# Altium PCB ESC.PcbDoc (part 2 of 3)
Units mm, origin at the board's own origin, x right, y up, seen from the top; angles counter-clockwise.
Board outline 85 x 45 mm, 4 copper layers (L1-SIGNAL/PWR, L2-PWR, L3-GND, L4-SIGNAL/PWR), stack 1.571 mm thick; 139 components, 88 nets, 499 pads, 911 vias.
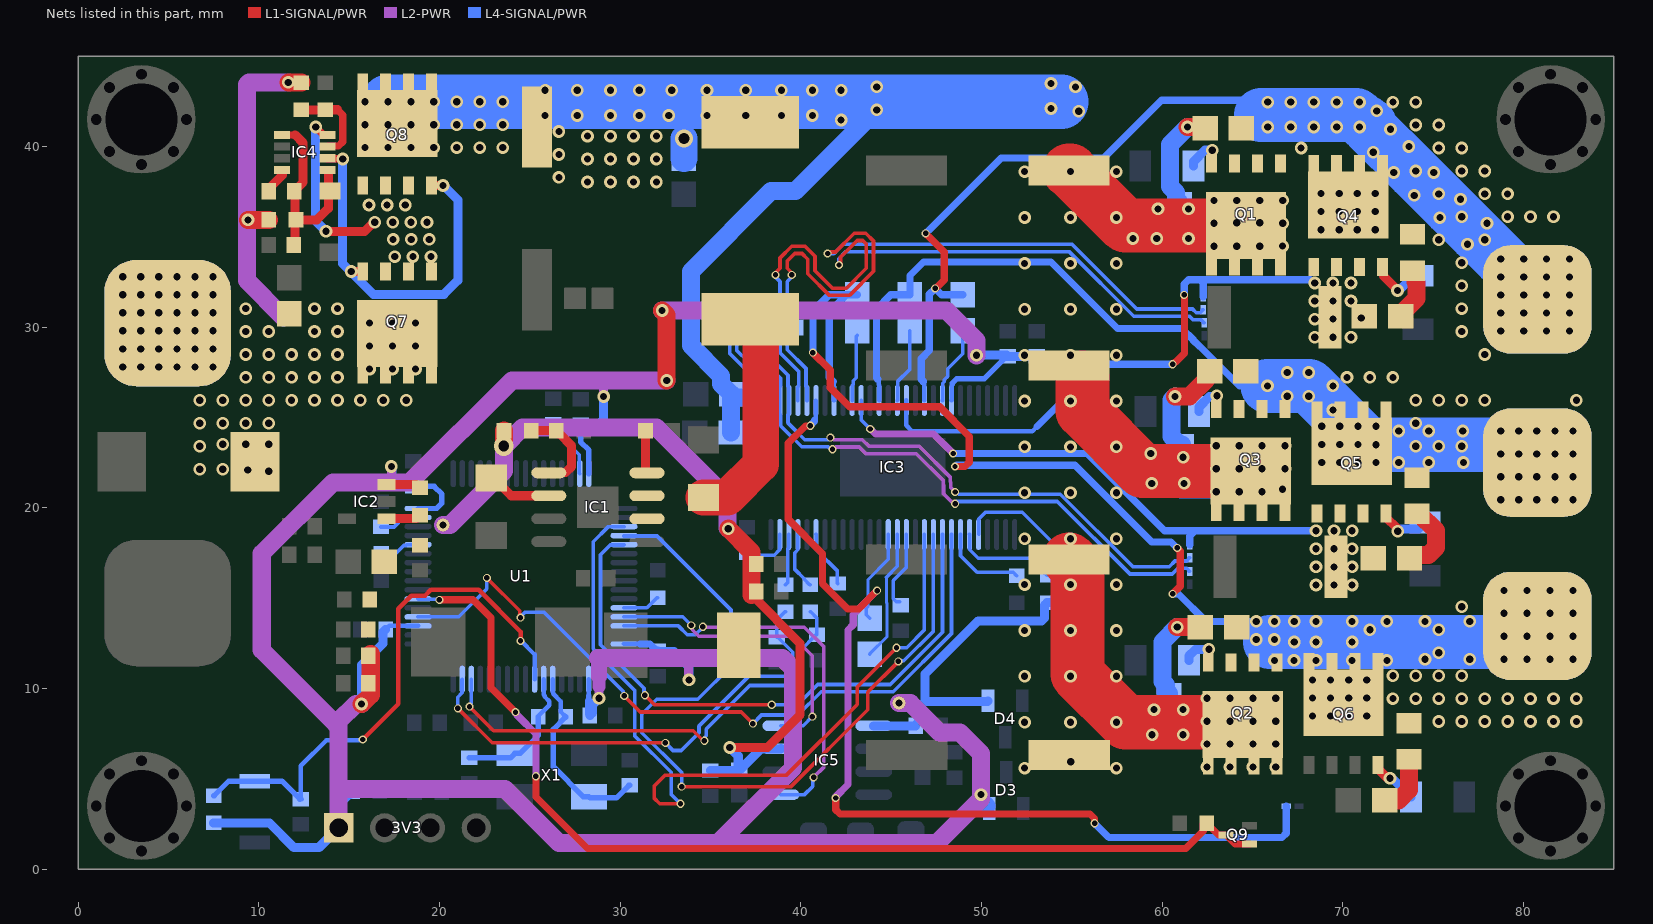
[diagram p4: the nets of this part, all layers, seen from the top]

## Via types
v1: diameter 0.7, hole 0.4, L1-SIGNAL/PWR to L4-SIGNAL/PWR, tented both sides, 386 vias
v2: diameter 0.7, hole 0.4, L1-SIGNAL/PWR to L4-SIGNAL/PWR, 181 vias
v3: diameter 0.7, hole 0.4, L1-SIGNAL/PWR to L4-SIGNAL/PWR, tented bottom, 112 vias
v4: diameter 0.45, hole 0.3, L1-SIGNAL/PWR to L4-SIGNAL/PWR, tented both sides, 87 vias
v5: diameter 0.7, hole 0.4, L1-SIGNAL/PWR to L2-PWR, tented both sides, 34 vias
v6: diameter 0.7, hole 0.4, L3-GND to L4-SIGNAL/PWR, tented both sides, 30 vias
v7: diameter 0.7, hole 0.4, L1-SIGNAL/PWR to L3-GND, 27 vias
v8: diameter 0.7, hole 0.4, L1-SIGNAL/PWR to L2-PWR, 21 vias
v9: diameter 0.7, hole 0.4, L3-GND to L4-SIGNAL/PWR, 10 vias
v10: diameter 1.1, hole 0.6, L1-SIGNAL/PWR to L4-SIGNAL/PWR, tented both sides, 10 vias
v11: diameter 0.7, hole 0.4, L1-SIGNAL/PWR to L3-GND, tented both sides, 8 vias
v12: diameter 1.1, hole 0.6, L3-GND to L4-SIGNAL/PWR, tented both sides, 3 vias
v13: diameter 0.7, hole 0.4, L1-SIGNAL/PWR to L4-SIGNAL/PWR, tented top, 1 vias
v14: diameter 1, hole 0.6, L1-SIGNAL/PWR to L4-SIGNAL/PWR, tented both sides, 1 vias

## Nets (pads, with @x,y where several pads share a name; then routed paths per layer and width w, separated by ;. In a path a pad name is that pad's centre, name@x,y a point inside that pad or via, vN(x,y) a via of type N, cw(c..) or ccw(c..) an arc to the next point about the centre after c; other vN are vias at no path point) (continued)
NetC9_2: C9.2 IC1.6 | length 3.6
  L1-SIGNAL/PWR w0.5: C9.2@22.86,21.659 22.981,21.659 23.971,20.669 IC1.6@26.048,20.669
NetC10_2: C10.2 R1.1 | length 5.9
  L1-SIGNAL/PWR w1: v1(61.404,41.084) 62.309,41.084 C10.2@62.373,41.021
  L4-SIGNAL/PWR w1: R1.1@60.96,36.907 60.838,36.907 60.771,36.973 60.771,37.45 60.437,37.785 60.437,40.117 v1(61.404,41.084)
NetC11_2: C11.2 R2.1 | length 5.7
  L1-SIGNAL/PWR w1: v1(60.708,26.166) 61.501,26.166 62.422,27.087 62.422,27.384 62.597,27.559 C11.2@62.627,27.559
  L4-SIGNAL/PWR w1: v1(60.708,26.166) 60.522,25.98 60.522,23.951 60.965,23.509 R2.1@61.087,23.509
NetC12_2: C12.2 R3.1 | length 5.5
  L1-SIGNAL/PWR w1: v1(60.833,13.399) C12.2@62.119,13.399
  L4-SIGNAL/PWR w1: R3.1@60.389,9.729 60.266,9.729 60.2,9.795 60.2,10.189 60.008,10.381 60.008,12.573 v1(60.833,13.399)
NetC13_1: C13.1 IC3.48 | length 4.3
  L4-SIGNAL/PWR w0.2: IC3.48@47.839,25.943 47.854,25.959 47.854,26.894 47.937,26.976 47.937,27.088 48.125,27.276 48.125,27.694 48.959,28.528 C13.1@48.959,29.794
NetC14_1: C14.1 IC3.15 | length 5.3
  L4-SIGNAL/PWR w0.17: C14.1@43.624,14.503 43.633,14.511 43.711,14.511 43.711,15.471 43.714,15.474 43.714,16.028 44.839,17.153
  L4-SIGNAL/PWR w0.2: C14.1@43.624,14.503 43.624,14.174 43.624,14.081 C14.1@43.815,13.891 ; 44.839,17.153 IC3.15@44.839,18.528
NetC14_2: C14.2 IC3.14 | length 7.3
  L4-SIGNAL/PWR w0.17: C14.2@43.815,11.89 43.815,11.92 44.775,12.88 44.775,14.714 44.731,14.758 44.731,16.156 44.738,16.163
  L4-SIGNAL/PWR w0.2: 44.738,16.163 45.339,16.764 IC3.14@45.339,18.528
NetC15_1: C15.1 IC3.43 | length 4.1
  L4-SIGNAL/PWR w0.2: IC3.43@45.339,25.943 45.354,25.959 45.354,26.989 46.038,27.672 C15.1@46.038,29.794
NetC16_2: C16.2 IC3.13 | length 4.3
  L4-SIGNAL/PWR w0.2: C16.2@45.471,14.797 45.289,14.797 45.116,14.97 45.116,15.975 45.839,16.698 IC3.13@45.839,18.528
NetC17_2: C17.2 R16.1 | length 3
  L1-SIGNAL/PWR w1: C17.2@73.193,30.719 73.341,30.719 73.405,30.782 73.405,30.93 74.074,31.6 74.074,32.47 74.039,32.505 74.039,33.067 73.973,33.133 R16.1@73.85,33.133
NetC18_2: C18.2 R17.1 | length 4.1
  L1-SIGNAL/PWR w1: C18.2@73.692,17.209 73.867,17.384 74.742,17.384 75.153,17.794 75.153,18.745 74.227,19.671 R17.1@74.105,19.671
NetC19_2: C19.2 R18.1 | length 3.3
  L1-SIGNAL/PWR w1: C19.2@72.311,3.81 73.074,3.81 73.66,4.396 R18.1@73.66,6.082
NetC20_1: C20.1 IC3.38 | length 3.7
  L4-SIGNAL/PWR w0.2: IC3.38@42.839,25.943 42.854,25.959 42.854,26.771 42.908,26.825 42.908,27.039 43.066,27.197 43.066,29.493 C20.1@43.116,29.543
NetC30_2: C30.2 IC3.23 | length 3.2
  L4-SIGNAL/PWR w0.2: IC3.23@40.839,18.528 40.854,18.513 40.854,17.673 40.899,17.629 42.025,16.502 42.025,15.825 C30.2@42.037,15.813
NetC31_1: C31.1 IC3.27 | length 2.9
  L4-SIGNAL/PWR w0.2: C31.1@37.02,17.525 37.174,17.371 38.521,17.371 38.824,17.673 38.824,18.513 IC3.27@38.839,18.528
NetC40_1: C40.1 IC4.4 | length 1.5
  L1-SIGNAL/PWR w0.4: IC4.4@11.275,38.699 11.278,38.699 11.303,38.674 11.303,38.417
  L1-SIGNAL/PWR w0.5: C40.1@10.548,37.528 10.548,37.663 11.303,38.417
NetC40_2: C40.2 C41.2 Dz1.1 IC4.1 IC4.5 R26.1 | length 11.6
  L1-SIGNAL/PWR w0.4: IC4.1@11.275,40.649 11.516,40.649 11.525,40.64 12.002,40.64 ; IC4.5@13.795,38.699 13.818,38.699 13.843,38.674 13.843,38.417
  L1-SIGNAL/PWR w0.5: C41.2@11.939,34.544 11.998,34.602 11.998,35.883 R26.1@12.056,35.941 ; 12.002,40.64 12.446,40.196 12.446,38.026 12.148,37.728 12.098,37.728 11.948,37.578 C40.2@11.948,37.528 12.002,37.474 12.002,35.995 R26.1@12.056,35.941 ; 13.843,38.417 13.843,37.625 Dz1.1@13.932,37.536 13.843,37.447 13.843,36.576 13.208,35.941 R26.1@12.056,35.941
NetC55_2: C55.2 U1.31 | length 2.3
  L4-SIGNAL/PWR w0.2: C55.2@16.757,18.943 17.482,18.943 17.985,19.445 18.792,19.445 U1.31@18.811,19.464
NetC56_2: C56.2 U1.47 | length 3.7
  L4-SIGNAL/PWR w0.2: C56.2@26.289,24.637 26.339,24.637 26.338,24.638 26.924,24.638 27.054,24.508 27.054,23.625 27.742,22.937 27.742,21.91 U1.47@27.761,21.891
NetIC1_4: IC1.4 R8.2 | length 2.4
  L1-SIGNAL/PWR w0.5: R8.2@31.403,24.277 31.403,21.986 31.45,21.939 IC1.4@31.488,21.939
NetIC1_5: IC1.5 R4.1 R11.1 | length 5.1
  L1-SIGNAL/PWR w0.5: R4.1@25.074,24.272 R11.1@26.47,24.272 26.47,24.244 26.624,24.09 26.652,24.09 27.305,23.438 27.305,22.283 26.981,21.959 26.067,21.959 IC1.5@26.048,21.939
NetIC2_3: IC2.3 R19.1 | length 1.9
  L1-SIGNAL/PWR w0.5: IC2.3@17.067,21.299 18.695,21.299 18.891,21.102 R19.1@18.92,21.102
NetIC3_5: IC3.5 R10.2 | length 8.1
  L4-SIGNAL/PWR w0.2: IC3.5@49.839,18.528 49.854,18.543 49.854,19.383 50.219,19.748 52.261,19.748 55.161,16.848 55.161,16.283 R10.2@55.182,16.262
NetIC3_6: IC3.6 R9.1 | length 6
  L4-SIGNAL/PWR w0.2: IC3.6@49.339,18.528 49.354,18.513 49.354,17.673 49.813,17.214 53.023,17.214 53.326,16.911 53.326,16.565 53.63,16.262 R9.1@53.658,16.262
NetIC3_7: IC3.7 R12.2 | length 4.7
  L4-SIGNAL/PWR w0.2: IC3.7@48.839,18.528 48.839,17.354 49.755,16.438 51.752,16.438 R12.2@51.943,16.247
NetIC3_25: IC3.25 R22.1 | length 3.2
  L4-SIGNAL/PWR w0.2: IC3.25@39.839,18.528 39.824,18.513 39.824,17.673 39.672,17.522 39.672,16.589 40.181,16.08 40.181,16.051 40.484,15.748 R22.1@40.513,15.748
NetIC3_26: IC3.26 R23.1 | length 2.9
  L4-SIGNAL/PWR w0.2: R23.1@39.15,15.748 39.272,15.871 39.272,17.723 39.339,17.789 IC3.26@39.339,18.528
NetIC4_6: IC4.6 Q7.4 Q8.4 | length 20.9
  L1-SIGNAL/PWR w0.4: IC4.6@13.795,39.349 13.815,39.329 14.618,39.329 v1(14.637,39.309)
  L1-SIGNAL/PWR w0.5: v1(15.113,33.084) 15.116,33.086 15.745,33.086 Q7.4@15.748,33.089 ; Q8.4@19.558,37.846 v1(20.193,37.846)
  L4-SIGNAL/PWR w0.5: v1(14.637,39.309) 14.637,33.514 16.338,31.813 20.238,31.813 21.018,32.594 21.018,37.045 20.218,37.846 v1(20.193,37.846)
NetIC4_7: IC4.7 R24.1 R25.2 | length 4.9
  L1-SIGNAL/PWR w0.4: IC4.7@13.795,39.999 13.82,40.024 14.411,40.024 14.645,40.258 14.645,41.743 14.351,42.037
  L1-SIGNAL/PWR w0.5: R24.1@12.345,42.034 R25.2@13.678,42.034 13.682,42.037 14.351,42.037
NetIC4_8: IC4.8 Q7.1 Q7.2 Q7.3 Q8.1 Q8.2 Q8.3 | length 9.8
  L1-SIGNAL/PWR w0.4: v1(13.144,41.084) 13.144,41.074 13.57,40.649 IC4.8@13.795,40.649
  L1-SIGNAL/PWR w0.5: v1(13.716,35.306) 15.853,35.306 16.361,35.814 v1(16.415,35.814)
  L4-SIGNAL/PWR w0.5: v1(13.144,41.084) 13.144,35.877 v1(13.716,35.306)
  other v1: 17.526,33.909 18.526,33.909 19.526,33.909 17.431,34.861 18.431,34.861 19.431,34.861 17.415,35.814 18.415,35.814 19.304,35.814 16.097,36.767 17.097,36.767 18.098,36.767
NetQ1_4: Q1.4 R5.2 | length 2.3
  L1-SIGNAL/PWR w0.5: Q1.4@62.738,39.058 62.757,39.078 62.757,39.776 v1(62.777,39.796)
  L4-SIGNAL/PWR w0.5: R5.2@61.74,38.925 61.74,39.172 62.364,39.796 v1(62.777,39.796)
NetQ2_4: Q2.4 R7.2 | length 2.3
  L1-SIGNAL/PWR w0.5: Q2.4@62.547,11.436 62.567,11.455 62.567,12.154 v1(62.586,12.173)
  L4-SIGNAL/PWR w0.5: R7.2@61.486,11.557 61.486,11.804 61.84,12.158 62.571,12.158 v1(62.586,12.173)
NetQ3_4: Q3.4 R6.2 | length 2.3
  L1-SIGNAL/PWR w0.5: Q3.4@62.992,25.469 63.011,25.489 63.011,26.192 v1(63.031,26.211)
  L4-SIGNAL/PWR w0.5: R6.2@62.039,25.336 62.039,25.583 62.629,26.173 62.993,26.173 v1(63.031,26.211)
NetQ4_4: Q4.4 R13.2 | length 3.1
  L1-SIGNAL/PWR w0.5: Q4.4@72.2,33.332 72.25,33.282 72.25,32.843 73.024,32.069 v1(73.024,32.035)
  L4-SIGNAL/PWR w0.5: v1(73.024,32.035) 73.062,32.073 73.146,32.073 73.921,32.848 R13.2@74.168,32.848
NetQ5_4: Q5.4 R14.2 | length 3
  L1-SIGNAL/PWR w0.5: Q5.4@72.39,19.679 72.39,19.479 73.006,18.863 73.006,18.738 v1(73.044,18.7)
  L4-SIGNAL/PWR w0.5: v1(73.044,18.7) 73.099,18.7 73.24,18.842 74.195,18.842 R14.2@74.549,19.195
NetQ6_4: Q6.4 R15.2 | length 2.8
  L1-SIGNAL/PWR w0.5: Q6.4@71.946,5.773 71.946,5.573 72.445,5.073 72.572,5.073 v1(72.61,5.035)
  L4-SIGNAL/PWR w0.5: v1(72.61,5.035) 72.648,4.997 72.772,4.997 73.168,4.601 73.415,4.601 73.769,4.247 R15.2@73.769,4
NetR28_1: R28.1 U1.28 | length 2.3
  L4-SIGNAL/PWR w0.2: R28.1@16.764,17.472 17.582,17.472 18.025,17.914 18.134,17.914 18.184,17.964 U1.28@18.811,17.964
NetR31_2: R31.2 U1.60 | length 2.1
  L4-SIGNAL/PWR w0.2: U1.60@30.211,14.464 31.481,14.464 32.049,15.033 R31.2@32.078,15.033
nSCS: IC3.8 U1.20 | length 42.3
  L1-SIGNAL/PWR w0.2: v4(22.619,16.12) 24.437,14.302 24.437,13.974 v4(24.485,13.926) ; v4(30.226,9.588) 31.115,8.7 36.703,8.7 v4(37.347,8.055)
  L4-SIGNAL/PWR w0.2: U1.20@18.811,13.964 21.07,13.964 22.619,15.513 v4(22.619,16.12) ; v4(24.485,13.926) 24.485,13.985 24.727,14.227 25.784,14.227 30.178,9.834 30.178,9.636 v4(30.226,9.588) ; v4(37.347,8.055) 37.824,8.532 39.837,8.532 41.129,9.824 45.118,9.824 48.339,13.045 IC3.8@48.339,18.528
OSC_IN: C57.2 R30.2 U1.5 X1.3 | length 10.7
  L4-SIGNAL/PWR w0.25: U1.5@26.261,10.514 26.271,10.505 26.271,9.801 26.286,9.786 26.286,9.717 26.701,9.303 26.701,8.724 R30.2@26.979,8.445
  L4-SIGNAL/PWR w0.3: R30.2@26.979,8.445 26.979,8.417 26.301,7.739 26.301,5.673 27.967,4.007 X1.3@28.267,4.007 28.33,3.944 29.795,3.944 30.485,4.634 C57.2@30.535,4.634
OSC_OUT: C58.1 R30.1 U1.6 X1.1 | length 7.8
  L4-SIGNAL/PWR w0.25: R30.1@25.472,8.445 25.472,8.474 26.079,9.081 26.079,9.288 25.836,9.531 25.836,9.599 25.77,9.665 25.77,10.505 U1.6@25.761,10.514
  L4-SIGNAL/PWR w0.3: C58.1@21.645,6.161 23.921,6.161 X1.1@24.167,6.407 24.467,6.407 25.472,7.412 R30.1@25.472,8.445
POWER_BUCK: C4.1 IC1.2 IC1.3 L1.2 | length 12.5
  L1-SIGNAL/PWR w2: C4.1@34.622,20.574 35.941,20.574 37.782,22.415 37.782,30.231 37.333,30.681 L1.2@37.211,30.681
POWER_IN: +.1 C21.2 D2.2 pad.1@4.953,30.226 Q7.5 Q7.6 Q7.7 Q7.8 Q7.9 R24.2 R26.2 | length 17.9
  L1-SIGNAL/PWR w1: v1(9.398,35.941) R26.2@10.55,35.941 ; v1(11.632,43.55) 11.641,43.54 R24.2@12.345,43.54
  L2-PWR w1: 11.367,30.543 9.335,32.575 9.335,43.434 9.45,43.55 v1(11.632,43.55)
  other v1: 6.731,22.14 8.001,22.14 6.731,23.41 8.001,23.522 6.731,24.68 8.001,24.68 9.271,24.68 10.541,24.68 6.731,25.95 8.001,25.95 9.271,25.95 10.541,25.95 11.811,25.95 13.081,25.95 14.351,25.95 15.621,25.95 16.891,25.95 18.161,25.95 9.271,27.22 10.541,27.22 11.811,27.22 13.081,27.22 14.351,27.22 9.271,28.49 10.541,28.49 11.811,28.49 13.081,28.49 14.351,28.49 9.271,29.76 10.541,29.76 13.081,29.76 14.351,29.76 9.271,31.03 13.081,31.03 14.351,31.03
  other v2: 2.461,27.798 3.461,27.798 4.461,27.798 5.461,27.798 6.461,27.798 7.461,27.798 2.461,28.798 3.461,28.798 4.461,28.798 5.461,28.798 6.461,28.798 7.461,28.798 2.461,29.798 3.461,29.798 4.461,29.798 5.461,29.798 6.461,29.798 7.461,29.798 2.461,30.797 3.461,30.797 4.461,30.797 5.461,30.797 6.461,30.797 7.461,30.797 2.461,31.798 3.461,31.798 4.461,31.798 5.461,31.798 6.461,31.798 7.461,31.798 2.461,32.798 3.461,32.798 4.461,32.798 5.461,32.798 6.461,32.798 7.461,32.798
  other v3: 10.541,22.028 9.383,22.099 9.271,23.522 10.541,23.522 16.129,27.686 17.399,27.686 18.669,27.686 16.129,28.956 17.399,28.956 18.669,28.956 16.129,30.226 17.399,30.226 18.669,30.226
POWER_LOAD: C5.2 C8.1 C34.2 C35.2 C36.1 C37.1 C38.1 C39.1 IC3.29 L1.1 Q1.5 Q1.6 Q1.7 Q1.8 Q1.9 Q2.5 Q2.6 Q2.7 Q2.8 Q2.9 Q3.5 Q3.6 Q3.7 Q3.8 Q3.9 Q8.5 Q8.6 Q8.7 Q8.8 Q8.9 R1.2 R2.2 R3.2 | length 119.2
  L1-SIGNAL/PWR w3: C38.1@54.847,17.145 55.308,16.683 55.308,10.795 57.975,8.128 Q2.9@63.754,8.128 ; C36.1@54.847,38.672 54.922,38.672 57.97,35.623 Q1.9@64.643,35.623 ; C37.1@55.597,27.202 55.597,25.366 58.928,22.034 Q3.9@64.897,22.034
  L4-SIGNAL/PWR w0.25: 37.782,25.908 37.818,25.943 IC3.29@38.339,25.943
  L4-SIGNAL/PWR w1: C34.2@36.138,24.168 C35.2@36.138,26.114 ; C35.2@36.153,26.289 35.588,26.854 35.588,27.298 33.909,28.977 33.909,33.084 38.354,37.529 39.695,37.529 v2(44.196,42.03) v2(44.196,43.3) ; C35.2@36.183,26.114 37.577,26.114 37.782,25.908
  L4-SIGNAL/PWR w1.5: C5.2@33.528,39.354 v14(33.528,40.45) ; R1.2@60.96,34.907 66.022,34.907
  L4-SIGNAL/PWR w2: R3.2@60.389,7.729 65.133,7.729 ; R2.2@61.087,21.509 65.232,21.509
  L4-SIGNAL/PWR w3: v2(17.145,42.481) v2(18.415,42.481) v2(19.685,42.481) v1(20.955,42.481) v1(22.225,42.481) v1(23.495,42.481) 36.957,42.481 54.432,42.481
  other v1: 62.484,9.461 63.754,9.461 65.024,9.461 28.194,38.036 29.464,38.036 30.734,38.036 32.004,38.036 26.607,38.291 28.194,39.306 29.464,39.306 30.734,39.306 32.004,39.306 26.607,39.56 15.875,39.941 17.145,39.941 18.415,39.941 19.685,39.941 20.955,39.941 22.225,39.941 23.495,39.941 28.194,40.576 29.464,40.576 30.734,40.576 32.004,40.576 26.607,40.831 20.955,41.211 22.225,41.211 23.495,41.211
  other v2: 15.875,41.211 17.145,41.211 18.415,41.211 19.685,41.211 42.227,41.465 25.832,41.719 27.622,41.719 29.464,41.719 31.051,41.719 32.684,41.719 34.808,41.719 36.957,41.719 38.925,41.719 40.64,41.719 55.387,41.948 53.848,42.106 15.875,42.481 25.845,43.116 27.622,43.116 29.464,43.116 31.051,43.116 32.854,43.116 34.808,43.116 36.957,43.116 38.925,43.116 40.64,43.116 42.227,43.116 55.2,43.3 53.848,43.486
  other v3: 62.484,5.651 63.754,5.651 65.024,5.651 66.294,5.651 62.484,6.921 63.754,6.921 65.024,6.921 66.294,6.921 62.484,8.191 63.754,8.191 65.024,8.191 66.294,8.191 66.294,9.461 62.992,20.892 64.262,20.892 65.532,20.892 66.669,21.025 62.992,22.162 64.262,22.162 65.532,22.162 66.802,22.162 62.992,23.431 64.262,23.431 65.532,23.431 66.802,23.431 62.865,34.48 64.135,34.48 65.405,34.48 66.669,34.487 62.865,35.75 66.675,35.75 64.135,35.782 65.405,35.782 62.865,37.02 64.135,37.02 65.405,37.02 66.675,37.02
  other v5: 52.387,5.593 57.468,5.593 52.387,8.133 54.927,8.133 52.387,10.673 54.927,10.673 52.387,13.213 54.927,13.213 57.468,13.213 52.387,15.753 54.927,15.753 57.468,15.753 52.387,18.293 54.927,18.293 57.468,18.293 52.387,20.833 54.927,20.833 57.468,20.833 52.387,23.373 54.927,23.373 52.387,25.913 57.468,25.913 52.387,28.453 57.468,28.453 52.387,30.993 54.927,30.993 57.468,30.993 52.387,33.533 54.927,33.533 57.468,33.533 52.387,36.073 54.927,36.073 52.387,38.613 57.468,38.613
  other v8: 54.938,5.946 59.445,7.435 61.161,7.435 57.468,8.133 59.551,8.831 61.161,8.831 57.468,10.673 59.424,21.353 61.217,21.353 61.159,22.796 59.374,23.01 57.468,23.373 54.927,25.913 54.927,28.453 58.379,34.907 59.699,34.907 61.46,34.907 57.468,36.073 59.771,36.547 61.46,36.547 54.927,38.613
RESET: C51.1 R27.1 SW1.1 U1.7 | length 30.7
  L1-SIGNAL/PWR w0.25: v4(15.748,7.175) 17.716,9.144 17.716,14.414 18.439,15.137 19.2,15.137 19.521,15.458 22.175,15.458 24.485,13.149 v4(24.485,12.636)
  L4-SIGNAL/PWR w0.25: C51.1@12.269,3.875 C51.1@12.319,3.875 ; C51.1@12.369,3.875 C51.1@12.319,3.875 ; v4(15.748,7.175) 15.71,7.137 13.741,7.137 12.319,5.715 C51.1@12.319,3.875 ; v4@24.485,12.674 v4(24.485,12.636) 24.511,12.636 25.261,11.886 U1.7@25.261,10.514
  L4-SIGNAL/PWR w0.3: R27.1@7.493,4.064 7.522,4.064 8.333,4.875 SW1.1@9.779,4.875 11.269,4.875 C51.1@12.269,3.875
RX: IC5.4 U1.61 | length 16.8
  L2-PWR w0.2: v4(33.936,13.495) 33.984,13.447 33.984,13.27 34.01,13.243 34.01,13.227 34.347,12.89 39.564,12.89 40.64,11.814 v4(40.64,8.445)
  L4-SIGNAL/PWR w0.2: U1.61@30.211,13.964 33.466,13.964 v4(33.936,13.495) ; IC5.4@38.895,7.938 40.132,7.938 v4(40.64,8.445)
S1_N: C28.2 IC3.33 J8.1 | length 43.4
  L1-SIGNAL/PWR w0.2: v4(39.497,32.893) 39.497,33.01 39.247,33.26 39.247,33.663 39.662,34.079 40.069,34.079 40.386,33.762 40.386,32.957 41.583,31.76 42.69,31.76 44.024,33.094 44.024,34.773 43.6,35.198 42.951,35.198 41.915,34.162 41.561,34.162 v4(41.478,34.079)
  L4-SIGNAL/PWR w0.2: v4(39.497,32.893) 39.497,32.776 39.247,32.526 39.247,30.445 39.364,30.328 39.446,30.328 39.746,30.028 C28.2@39.746,29.978 39.746,29.928 39.446,29.628 39.364,29.628 39.247,29.511 39.247,28.757 40.289,27.715 40.289,26.732 40.339,26.682 IC3.33@40.339,25.943 ; v4(41.478,34.079) 41.832,34.079 42.338,34.585 55.009,34.585 58.588,31.007 61.678,31.007 61.882,30.802 62.106,30.802 62.223,30.919 62.223,30.96 62.225,30.962 J8.1@62.275,30.962
S1_P: C28.1 IC3.32 J10.1 | length 42.1
  L1-SIGNAL/PWR w0.2: v4(38.597,32.893) 38.597,33.01 38.847,33.26 38.847,33.829 39.497,34.479 40.234,34.479 40.786,33.927 40.786,33.122 41.748,32.16 42.524,32.16 43.624,33.26 43.624,34.608 43.434,34.798 43.116,34.798 42.198,33.879 42.198,33.525 v4(42.115,33.443)
  L4-SIGNAL/PWR w0.2: v4(38.597,32.893) 38.597,32.776 38.847,32.526 38.847,30.445 38.729,30.328 38.647,30.328 38.347,30.028 C28.1@38.347,29.978 38.347,29.928 38.647,29.628 38.729,29.628 38.847,29.511 38.847,28.592 39.889,27.55 39.889,26.732 39.839,26.682 IC3.32@39.839,25.943 ; v4(42.115,33.443) 42.115,33.796 42.503,34.185 54.844,34.185 58.422,30.607 61.512,30.607 61.717,30.402 62.154,30.402 62.271,30.285 62.271,30.244 62.273,30.242 J10.1@62.323,30.242
S2_N: C29.2 IC3.31 J9.1 | length 33.8
  L2-PWR w0.2: v4(41.633,23.885) 41.701,23.885 41.815,23.771 43.406,23.771 43.775,23.402 46.557,23.402 48.28,21.679 48.28,21.438 48.294,21.424 48.294,21.121 48.536,20.879 v4(48.54,20.879) v4@48.54,20.904
  L4-SIGNAL/PWR w0.2: C29.2@36.96,29.978 36.96,29.928 36.66,29.628 36.577,29.628 36.46,29.511 36.46,28.709 37.053,28.115 38.512,28.115 39.289,27.339 39.289,26.732 39.339,26.682 IC3.31@39.339,25.943 39.339,25.204 39.289,25.154 39.289,24.702 40.215,23.775 41.523,23.775 v4(41.633,23.885) ; v4(48.54,20.879) 48.608,20.879 48.733,20.754 54.367,20.754 58.384,16.736 60.391,16.736 60.713,17.059 61.362,17.059 61.479,17.176 61.479,17.232 61.481,17.234 J9.1@61.531,17.234
S2_P: C29.1 IC3.30 J11.1 | length 34.5
  L2-PWR w0.2: v4(41.751,23.246) 41.819,23.246 41.944,23.371 43.24,23.371 43.609,23.002 46.391,23.002 47.88,21.513 47.88,21.272 47.894,21.258 47.894,20.783 48.323,20.354 48.348,20.354 48.473,20.229 v4(48.54,20.229)
  L4-SIGNAL/PWR w0.2: C29.1@35.56,29.978 35.56,29.928 35.86,29.628 35.943,29.628 36.06,29.511 36.06,29.274 ; 36.06,29.226 36.06,28.543 36.888,27.715 38.347,27.715 38.889,27.173 38.889,26.732 38.839,26.682 IC3.30@38.839,25.943 38.839,25.204 38.889,25.154 38.889,24.536 40.049,23.375 41.506,23.375 v4@41.631,23.25 ; v4@48.507,20.229 48.632,20.354 54.201,20.354 58.218,16.337 60.556,16.337 60.879,16.659 61.362,16.659 61.479,16.542 61.479,16.486 61.481,16.485 J11.1@61.531,16.485
SCLK: IC3.11 U1.51 | length 45.2
  L1-SIGNAL/PWR w0.2: v4(33.337,3.619) 32.194,3.619 31.877,3.937 31.877,4.584 32.5,5.207 39.211,5.207 43.123,9.119 43.123,10.088 v4(45.293,12.258)
  L4-SIGNAL/PWR w0.2: U1.51@30.211,18.964 30.192,18.945 29.327,18.945 28.511,18.13 28.511,12.192 30.797,9.906 30.797,7.39 32.829,5.358 32.829,4.127 v4(33.337,3.619) ; v4(45.293,12.258) 45.855,12.258 46.839,13.242 IC3.11@46.839,18.528
SDI: IC3.9 U1.53 | length 34.1
  L1-SIGNAL/PWR w0.2: v4(31.369,9.626) 31.895,9.099 v4(38.392,9.099)
  L4-SIGNAL/PWR w0.2: U1.53@30.211,17.964 30.192,17.945 29.456,17.945 28.911,17.401 28.911,12.427 31.321,10.017 31.321,9.673 v4(31.369,9.626) ; v4(38.392,9.099) 39.813,9.099 40.937,10.223 44.952,10.223 47.839,13.11 IC3.9@47.839,18.528
SDO: IC3.10 U1.52 | length 45.1
  L1-SIGNAL/PWR w0.2: v4(33.401,4.572) 39.453,4.572 43.705,8.824 43.705,9.802 v4(45.402,11.498)
  L4-SIGNAL/PWR w0.2: U1.52@30.211,18.439 32.043,18.439 36.131,14.351 36.131,11.238 34.291,9.398 32.023,9.398 31.197,8.572 31.197,7.556 33.401,5.352 v4(33.401,4.572) ; v4(45.402,11.498) 45.444,11.54 45.703,11.54 47.339,13.176 IC3.10@47.339,18.528
SH_A: "MOTOR U.1" C10.1 C13.2 IC3.46 Q1.1 Q1.2 Q1.3 Q4.5 Q4.6 Q4.7 Q4.8 Q4.9 R16.2 | length 53.2
  L1-SIGNAL/PWR w0.4: v4(46.909,35.19) 47.942,34.156 47.942,32.617 47.484,32.158 47.444,32.158 v4(47.434,32.149)
  L4-SIGNAL/PWR w0.25: 46.774,26.981 46.833,26.921 46.833,25.949 IC3.46@46.839,25.943
  L4-SIGNAL/PWR w0.4: 46.774,26.981 46.774,27.006 46.661,27.119 46.661,28.253 47.113,28.704 47.113,31.827 v4(47.434,32.149) 47.79,31.794 C13.2@48.959,31.794 ; v4(46.909,35.19) 51.089,39.37 56.769,39.37 59.958,42.559 64.971,42.559 65.07,42.46 65.151,42.46
  L4-SIGNAL/PWR w3: 65.482,41.749 67.12,41.749 68.389,41.749 70.737,41.749 71.146,41.34 71.27,41.34 71.42,41.19 71.501,41.19 ; 71.417,41.105 73.956,38.566 75.978,36.544 77.375,35.147 v2(78.74,33.782) 79.375,33.147 80.51,32.012 80.878,31.644 81.09,31.432
  other v1: 77.851,28.49 76.581,29.76 76.581,31.03 76.581,32.3 76.581,33.57 76.898,34.585 75.311,34.84 77.851,34.84 77.978,35.75 75.374,36.068 76.581,36.11 79.121,36.11 80.391,36.11 81.661,36.11 76.517,37.084 73.957,37.295 75.311,37.38 77.851,37.38 79.121,37.38 72.817,38.565 75.036,38.565 74.041,38.65 76.581,38.65 77.851,38.65 71.691,39.688 67.691,39.92 75.311,39.92 76.581,39.92 73.66,40.005 72.644,40.957 65.849,41.084 67.12,41.084 68.389,41.084 69.659,41.084 70.929,41.084 74.041,41.19 75.311,41.19 71.882,41.973 65.849,42.46 67.12,42.46 68.389,42.46 69.659,42.46 70.929,42.46 72.771,42.46 74.041,42.46
  other v2: 78.74,29.782 80.01,29.782 81.28,29.782 82.55,29.782 78.74,30.782 80.01,30.782 81.28,30.782 82.55,30.782 78.74,31.782 80.01,31.782 81.28,31.782 82.55,31.782 78.74,32.782 80.01,32.782 81.28,32.782 82.55,32.782 80.01,33.782 81.28,33.782 82.55,33.782
  other v3: 68.8,35.4 69.8,35.4 70.8,35.4 71.8,35.4 68.8,36.4 69.8,36.4 70.8,36.4 71.8,36.4 68.8,37.4 69.8,37.4 70.8,37.4 71.8,37.4
SH_B: "MOTOR V.1" C11.1 C15.2 IC3.41 Q3.1 Q3.2 Q3.3 Q5.5 Q5.6 Q5.7 Q5.8 Q5.9 R17.2 | length 48
  L4-SIGNAL/PWR w0.25: 44.254,27.124 44.304,27.075 44.304,26.805 44.333,26.776 44.333,25.949 IC3.41@44.339,25.943
  L4-SIGNAL/PWR w0.4: 44.254,27.124 44.183,27.196 44.183,28.914 44.192,28.923 44.192,30.664 44.183,30.673 44.183,31.005 44.971,31.794 C15.2@46.038,31.794 46.047,31.803 46.047,32.864 46.787,33.605 53.849,33.605 57.525,29.929 61.102,29.929 61.723,29.307 61.723,29.283 62.075,28.931 62.1,28.931 64.281,26.749 v1(65.834,26.749)
  L4-SIGNAL/PWR w3: v1(65.834,26.749) 68.12,26.749 71.374,23.495 79.777,23.495 80.772,22.5
  other v1: 73.094,22.511 74.76,22.511 76.676,22.511 74.041,23.41 75.311,23.41 76.581,23.41 73.094,24.257 74.76,24.257 76.644,24.257 74.041,24.68 69.453,25.416 74.041,25.95 75.311,25.95 76.581,25.95 77.851,25.95 82.931,25.95 66.929,26.173 68.12,26.173 69.453,26.749 70.231,27.22 71.501,27.22 72.771,27.22 66.929,27.495 68.12,27.495